# Allegro board A523-EVB-AXP717C-LPDDR4-4X-32X1-V1-0.brd (continued)
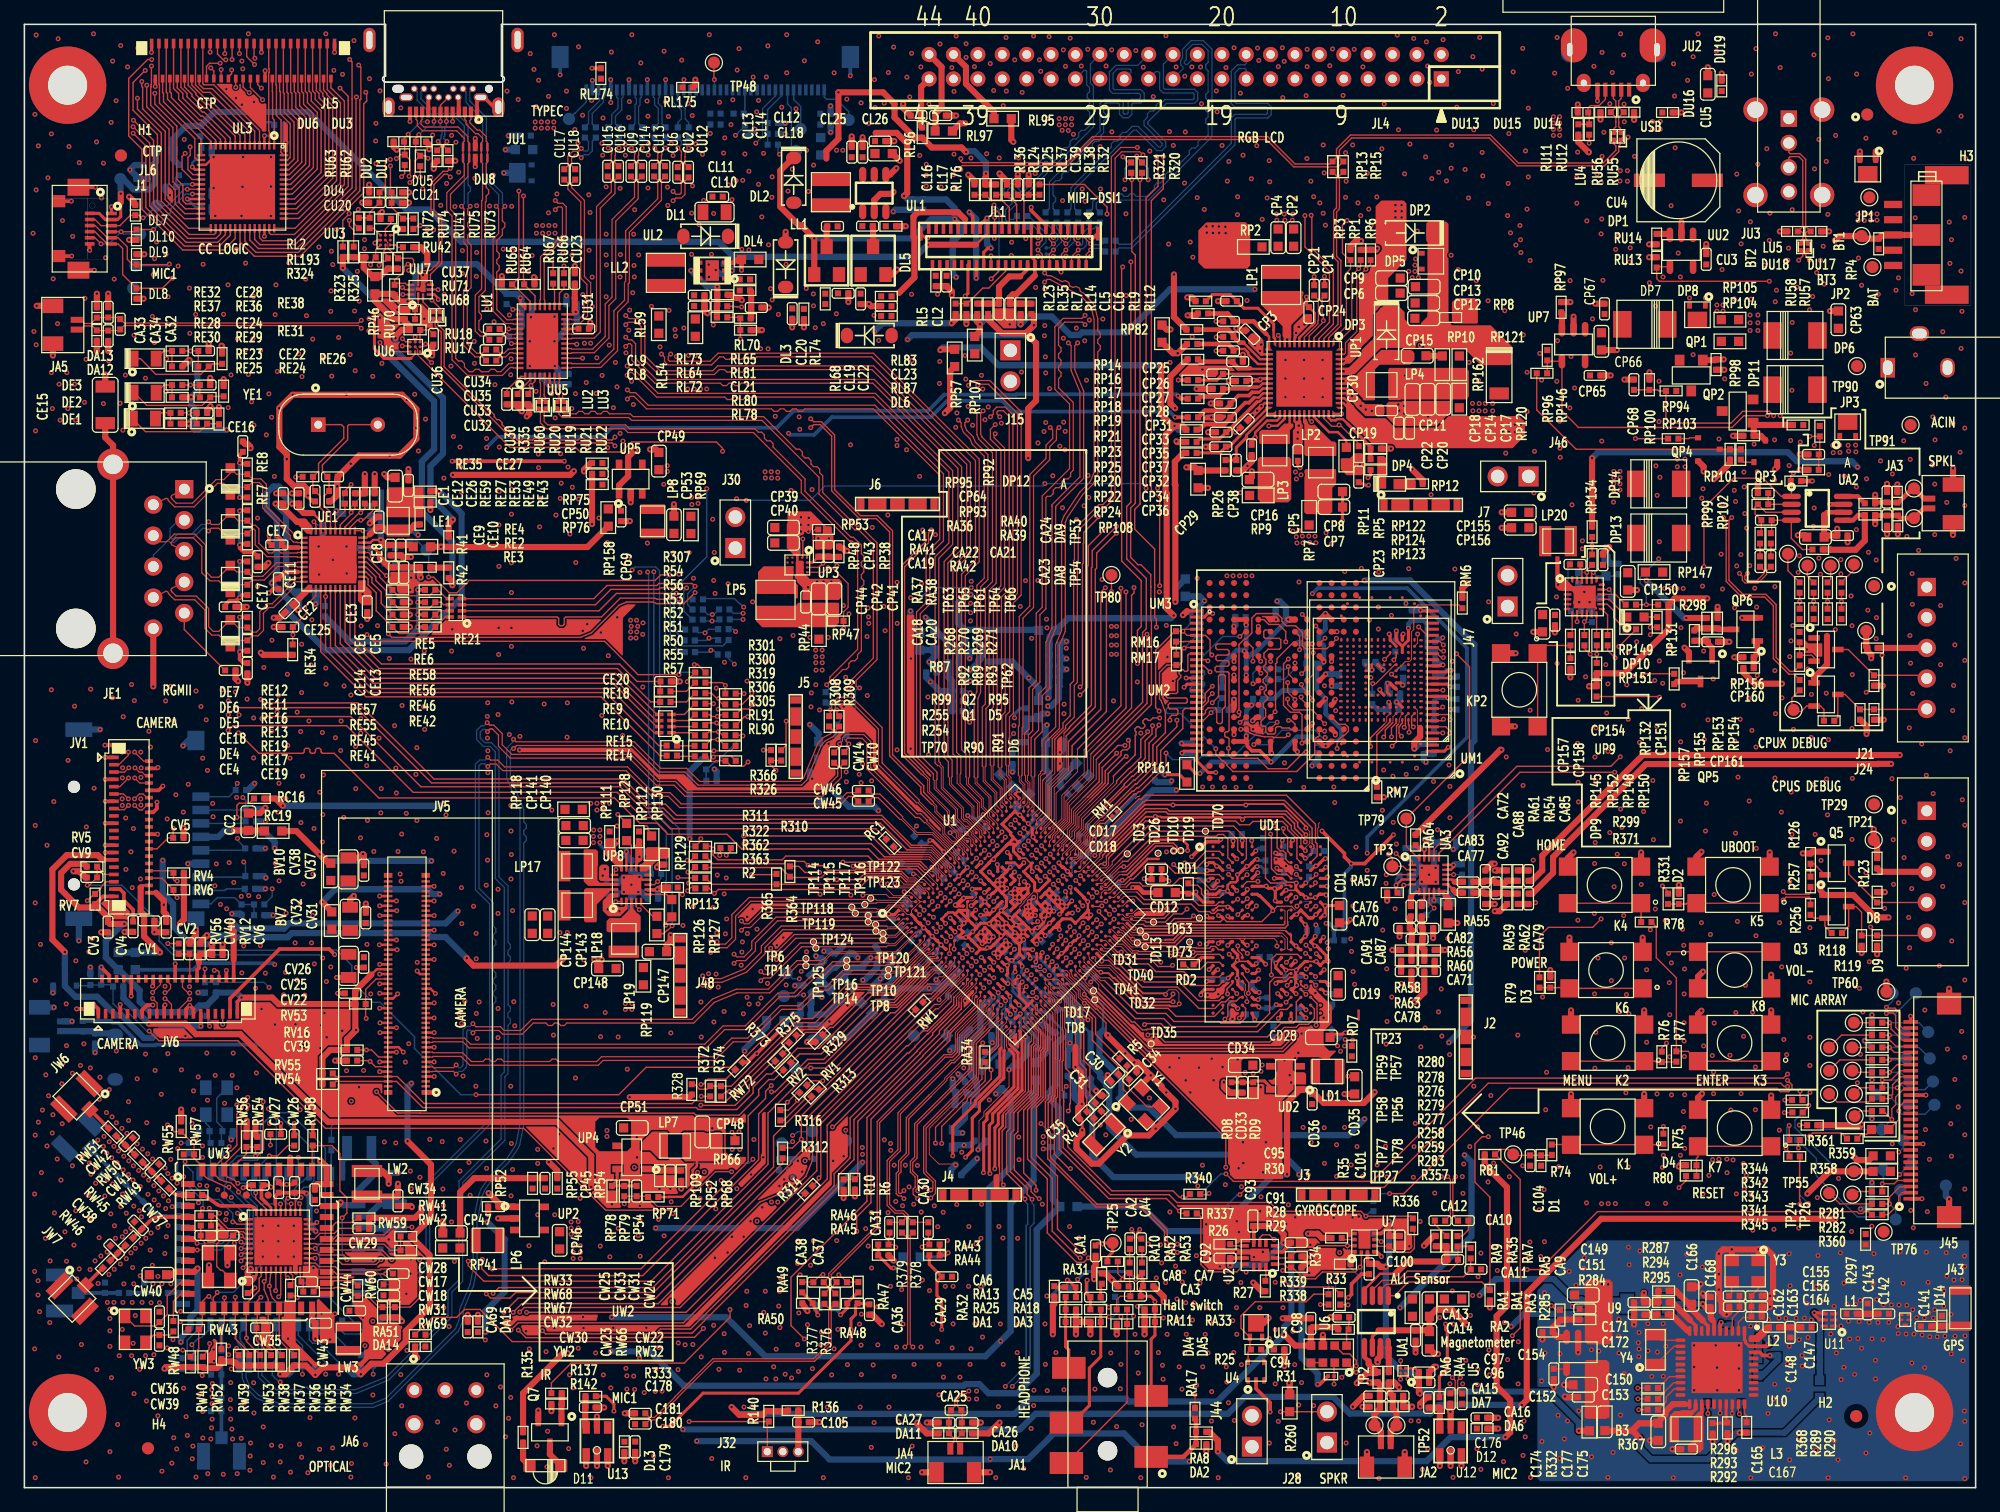
[diagram p0: board, top side]
## Routing (per net, layer and track width the routed paths; a pad name or vN(x,y) marks a point on that pad's centre or on a via; arc(x,y) is an arc through that point) (continued)
CC2: length 13.9
  TOP w0.114: v1(30.02,108.39) 30.02,106.33 DU5.2 CU21.2 30.11,105.01 RU75.2 31.06,104.08 RU73.2
  L3 w0.076: 32.45,113.86 32.92,114.33 32.93,114.33 33.32,114.72 JU1.B5
  L3 w0.114: v1(30.02,108.39) 29.62,108.79 29.62,111.02 32.45,113.86
CC2-AXP717C: length 87.8
  TOP w0.114: RU73.1 31.98,103.23 32.26,103.5 v1(32.46,103.5) ; v1(105,104.32) 105,101.75 107.01,99.74 107.01,95.56 105.75,94.3 UP1.5
  L3 w0.114: v1(105,104.32) 104.5,104.83 97.74,104.83 96.53,103.61 75.79,103.61 75.36,104.04 73.84,104.04 71.89,102.09 63.79,102.09 63.26,102.61 59.69,102.61 58.25,104.04 41.8,104.04 41.47,103.71 32.67,103.71 v1(32.46,103.5)
CC-INT: length 199.5
  TOP w0.076: UU3.B2 29.8,102.11 29.8,101.65 29.81,101.64
  TOP w0.114: 29.81,101.64 R325.2 31.78,100.82 31.91,100.68 31.91,100.39 31.81,100.29 31.81,100.18 31.51,99.88 v1(31.51,99.82) ; R345.1 145.59,26.75 145.56,26.72 145.56,23.64 145.6,23.61 v1(145.6,23.25)
  L3 w0.114: v1(31.51,99.82) 32.25,99.09 34.15,99.09 37.6,95.64 37.6,92.41 43.14,86.87 43.14,80.71 43.95,79.91 43.95,55.15 42.46,53.66 42.46,25.69 48.48,19.66 60.51,19.66 61.47,20.62 66.99,20.62 68.98,18.63 70.1,18.63 71.24,17.49 89.64,17.49 90.06,17.91 93.02,17.91 93.63,17.3 101.4,17.3 104.42,20.31 110.79,20.31 111.05,20.57 125.22,20.57 127.01,22.36 144.71,22.36 v1(145.6,23.25)
CHASIS-GND: length 19.1
  TOP w0.508: CE15.2 6.63,86.12 7.27,85.48 JE1.11 JE1.12
CLDO1: length 265.4
  TOP w0.203: U1.K21 81.2,51.26 80.55,51.26 U1.H20
  TOP w0.254: v1(76.33,47.78) 76.41,47.7 U1.H10 ; U1.H12 77.07,48.4 v1(77.02,48.35) ; U1.K21 v1(81.95,51.25) ; v1(83.04,50.87) 83.04,50.84 U1.N23
  TOP w0.381: v1(76.33,47.78) 76.45,47.78 v1(77.02,48.35)
  TOP w0.508: v1(94.31,87.07) 93.57,86.33 v1(93.57,82.39) 93.57,81.64 93.66,81.55 93.66,72.1 v1(94.23,71.53) ; v1(94.31,87.07) 94.16,87.07 93.21,88.01 v1(93.21,92.05) ; v1(94.31,87.07) 94.96,87.07 RP20.2 ; RP57.1 75.17,93.35 v1(75.11,93.29)
  L3 w0.305: v1(76.33,47.78) 75.77,47.22 74.32,47.22 73.25,46.15 70.93,46.15 68.33,43.55 v1(68.33,43.46)
  L3 w0.508: v1(115.34,81.43) 109.86,81.43 109.17,82.11 103.58,82.11 102.91,82.79 100.01,82.79 99.85,82.96 96.68,82.96 96.11,82.39 v1(93.57,82.39) ; v1(68.33,43.46) 69.44,42.35 69.44,38.67 75.16,32.94 79.01,32.94 v1(79.65,32.3) ; v1(78.44,16.51) 78.51,16.59 84.17,16.59 84.71,16.05 104.85,16.05 107.06,18.26 108.51,18.26 109.3,17.48 114.66,17.48 116.97,19.79 v1(120.58,19.79)
  L4 w0.254: v1(77.02,48.35) 76.45,47.78 v1(76.33,47.78) ; v1(81.95,51.25) 81.79,51.25
  L4 w0.305: 81.79,51.25 81.18,51.86 81.18,52.45 81.2,52.48 81.2,53.98 82.06,54.83 82.06,55.6 ; v1(83.04,50.87) 82.66,51.25 v1(81.95,51.25)
  L4 w0.508: v1(120.58,19.79) 121.11,20.32 121.11,59.39 120.4,60.1 120.4,70.15 115.34,75.21 v1(115.34,81.43) ; v1(83.92,64.74) 83.26,64.74 82.68,64.16 82.68,59.71 82.68,59.71 82.68,58.1 82.09,57.51 82.09,55.64 82.06,55.6
  BOTTOM w0.508: v1(94.31,87.07) 94.62,86.76 C19.1 ; 65.04,41.41 65.59,41.97 C80.1 65.63,42.04 66.16,42.56 C82.1 66.51,42.63 66.8,42.92 66.84,42.92 C79.1 67.69,43.77 C58.1 67.98,43.81 v1(68.33,43.46) ; 65.04,41.41 C81.1 ; 65.04,41.41 65.51,41.41 66.05,40.87 RP106.1 ; v1(93.21,92.05) 79.88,92.05 78.43,93.5 75.31,93.5 v1(75.11,93.29) ; v1(83.92,64.74) 83.98,64.8 C51.1 84.03,65.71 C77.1 84.05,66.54 C76.1 84.06,67.4 C78.1 84.07,68.25 C75.1 84.07,69.8 RP67.2 85.57,71.3 94.01,71.3 v1(94.23,71.53) ; v1(78.44,16.51) 79.07,17.14 79.07,24.51 80.86,26.3 80.86,32.04 RP51.1 79.69,32.3 v1(79.65,32.3)
CLDO2: length 116.9
  TOP w0.203: 78.03,101.93 78.96,102.86 JL1.29
  TOP w0.508: v1(94.46,85.81) 94.53,85.75 RP22.2 ; v1(74.07,101.93) 78.03,101.93
  L3 w0.508: v1(74.07,101.93) 74.65,101.93 75.77,103.05 94.36,103.05 95.26,102.15 v1(95.6,102.15)
  L4 w0.508: v1(94.46,85.81) 95.41,86.76 95.41,91.73 96.62,92.94 96.62,101.13 v1(95.6,102.15)
  BOTTOM w0.508: RL3.2 12.2,108.95 BL1.1 12.2,110.62 13.25,111.68 RL195.2 15.57,112.82 RL194.2 23.3,112.82 31.3,104.81 33.17,104.81 35.81,102.17 56.92,102.17 58.15,100.94 73.08,100.94 v1(74.07,101.93)
CLDO3: length 601.4
  TOP w0.203: v1(81.61,52.27) U1.J23 ; UP8.14 v1(49.36,52.16)
  TOP w0.254: U1.J12 77.72,47.73 v1(77.64,47.73) ; U1.J15 78.82,48.82 78.76,48.82 78.75,48.81 v1(78.72,48.81) ; v1(80.22,40.97) 80.18,40.97 U1.AA5
  TOP w0.305: R31.2 106.21,8.47 v1(106.05,8.47)
  TOP w0.508: v1(26.11,100.03) RL2.1 RL193.1 27.02,100.9 R324.1 27.83,100.77 27.83,100.05 28.55,99.32 RP46.2 29.16,99.32 R323.1 30.63,99.97 R325.1 ; R29.1 105.3,18.64 v1(105.3,18.69) 105.04,18.95 R28.1 ; v1(138.51,82.69) 139.85,84.03 RP99.2 ; v1(128.3,65.71) 128.31,65.73 R371.1 128.91,66.77 R299.1 131.21,66.78 134.82,70.39 R298.1 135.33,72.93 v1(138,72.93) ; v1(67.46,76.82) 67.32,76.82 67.08,77.06 66.92,77.06 RP38.2 ; Q1.1 146.75,66.43 147.81,67.49 147.81,69.85 ; RU11.2 127.42,110.36 128.26,109.52 v1(128.29,109.52) ; RP68.1 v1(53.86,24.52) ; v1(105.26,20.83) 106.05,20.83 106.4,20.47 R33.2 ; RC16.2 20.6,56.52 v1(21.19,55.92) ; R42.1 35.1,74.3 v1(35.1,74) ; v1(94.38,72.64) 94.38,82.23 94.34,82.27 94.34,84.14 95.05,84.86 RP24.2
  L3 w0.305: 83.11,54.46 81.55,52.91 81.55,52.32 v1(81.61,52.27)
  L3 w0.508: v1(20.4,46.94) 20.4,47.5 21.79,48.9 21.79,55.32 v1(21.19,55.92) ; v1(105.26,20.83) 110.53,20.83 110.82,21.11 124.98,21.11 127.21,23.35 v1(128.09,23.35) ; 83.11,54.46 83.11,61.8 v1(83.85,62.53) ; v1(94.38,72.64) 93.92,72.19 83.4,72.19 82.59,71.37 v1(82.59,69.65) 75.61,69.65 v1(73.89,71.37) ; v1(128.3,65.71) 119.14,65.71 v1(117.09,67.77) ; v1(79.12,31.8) 78.71,32.21 73.41,32.21 v1(65.39,40.23) ; v1(50.47,75.06) 50.47,75.26 51.09,75.88 54.62,75.88 57.16,78.42 58.79,78.42 60.5,80.13 64.71,80.13 67.46,77.38 v1(67.46,76.82) ; v1(34.37,56.08) 34.37,73.27 v1(35.1,74) ; v1(145.01,70.7) 145.01,70.97 143.05,72.93 v1(138,72.93)
  L4 w0.305: 73.59,43.68 v1(77.64,47.73) 78.72,48.81 v1(78.72,48.81) ; v1(80.22,40.97) 80.44,40.75 81.01,40.75 82.1,39.66 82.1,38.58 81.07,37.55
  L4 w0.508: v1(54.55,53.22) 53.65,52.32 49.53,52.32 v1(49.36,52.16) 49.25,52.27 49.25,56.3 48.74,56.81 39.96,56.81 39.24,56.08 v1(34.37,56.08) ; v1(50.47,75.06) 49.41,74 v1(35.1,74) ; v1(95.51,2.15) 103.77,2.15 105.11,3.48 105.11,7.53 v1(106.05,8.47) ; v1(128.29,109.52) 128.29,105.96 132.66,101.59 132.66,85.8 135.77,82.69 v1(138.51,82.69) 138.51,73.44 v1(138,72.93) ; v1(55.14,3.81) 55.14,9.42 53.06,11.51 53.06,13.03 53.86,13.82 v1(53.86,24.52) ; v1(117.09,67.77) 116.89,67.96 116.89,68.82 116.89,68.83 116.89,69.87 115.94,70.82 115.11,70.82 114.55,71.37 113.26,71.37 111.85,72.79 103.7,72.79 102.66,73.83 95.56,73.83 v1(94.38,72.64) ; 73.59,43.68 71.55,43.68 70.65,42.77 67.93,42.77 v1(65.39,40.23) ; v1(105.26,20.83) 105.23,20.83 104.72,20.32 104.72,19.28 v1(105.3,18.69) ; v1(82.59,69.65) 82.59,67.36 84.63,65.32 84.63,63.32 v1(83.85,62.53) ; v1(128.09,23.35) 128.09,65.51 v1(128.3,65.71) ; v1(67.46,76.82) 69.99,76.82 73.89,72.92 v1(73.89,71.37) ; 81.07,37.55 80.31,36.8 80.31,35.99 79.86,35.54 79.86,33.41 79.09,32.65 79.09,31.83 v1(79.12,31.8) 79.12,27.84 78.26,26.98 v1(78.12,26.98) 78.05,26.91 78.05,26.69 77.74,26.38 77.74,22.01 79.2,20.55 v1(79.2,2.34)
  BOTTOM w0.305: 84.01,55.26 83.36,54.61 C50.1 82.91,54.16 82.83,54.16 81.49,52.82 81.49,52.38 v1(81.61,52.27)
  BOTTOM w0.508: v1(94.38,72.64) 94.39,72.65 94.39,73.72 RP29.1 ; v1(106.05,8.47) 106.05,9.35 104.72,10.67 104.72,18.11 v1(105.3,18.69) ; v1(73.89,71.37) 74.65,70.61 RP33.1 74.91,70.12 75.75,69.29 R15.1 ; v1(34.37,56.08) 34.21,55.92 v1(21.19,55.92) ; CP149.1 49.36,51.84 v1(49.36,52.16) ; 84.01,55.26 84.01,58.61 83.74,58.88 C49.1 83.74,62.43 v1(83.85,62.53) ; RC15.2 v1(20.4,46.94) ; v1(65.39,40.23) 65,40.62 C73.1 64.53,39.67 64.5,39.63 64.5,39.61 C56.1 64.5,39.56 64.5,38.82 64.49,38.81 64.49,38.78 ; v1(54.55,53.22) 54.55,58.74 55.58,59.76 R7.2 ; 64.49,38.78 65.12,38.78 65.15,38.81 65.7,38.81 66.9,40.01 ; 64.49,38.78 C55.1 ; C61.1 76.83,25.69 78.12,26.98 v1(78.12,26.98) ; v1(26.11,100.03) 29.72,96.42 29.72,92.97 33.59,89.09 33.59,85.16 32.58,84.15 32.58,80.05 35.1,77.54 v1(35.1,74) ; v1(95.51,2.15) 92.45,2.15 90.15,4.45 84.4,4.45 82.3,2.34 v1(79.2,2.34) 79.17,2.31 66.01,2.31 64.52,3.81 v1(55.14,3.81)
CLDO4: length 81.9
  TOP w0.508: v1(95.28,83.67) 95.98,83.67 96.24,83.42 ; UP5.1 48.76,82.2 49.5,82.94 49.5,84.53 v1(50.06,85.09) ; 96.24,83.42 RP108.1 ; 96.24,83.42 RP26.2
  L3 w0.508: v1(100.25,97.36) 99.03,97.36 98.17,96.49 97.36,96.49 97,96.85 92.58,96.85 90.58,94.84 90.58,92.41 86.89,88.72 82.73,88.72 79.08,85.08 77.17,85.08 75.16,87.08 67.53,87.08 66.22,85.78 50.75,85.78 v1(50.06,85.09)
  L4 w0.508: v1(100.25,97.36) 98.32,95.43 98.32,91.24 96.44,89.36 96.44,85.93 95.28,84.76 v1(95.28,83.67)
CLKOUT-125M: length 2.5
  TOP w0.114: UE1.35 25.5,79.32 26.29,80.1 RE27.2
CODEC0-AVDD: length 18.2
  TOP w0.203: v1(116.56,48.74) 116.41,48.88 UA3.10 ; UA3.18 115.18,52.06 115.19,52.07 115.19,52.8 v1(114.83,53.16)
  TOP w0.508: RA57.2 v1(111.74,48.13) ; RA55.2 116.74,48.31 116.56,48.49 v1(116.56,48.74)
  L3 w0.508: v1(116.56,48.74) 112.35,48.74 v1(111.74,48.13)
  L4 w0.508: v1(116.56,48.74) 116.56,51.43 v1(114.83,53.16)
  BOTTOM w0.508: CA93.1 116.5,48.79 v1(116.56,48.74) 116.66,48.74 117.16,48.23 CA75.1 ; v1(114.83,53.16) 115.34,53.16 CA84.1 116.02,52.9 116.1,52.98 CA73.1
CPUS-RX: length 106.9
  TOP w0.076: 84.09,38.82 83.35,39.57 U1.AH8
  TOP w0.114: v1(144.22,48.88) 144.45,48.65 146.34,48.65 146.46,48.77 R257.2 ; v1(94.54,19.29) 94.09,19.74 93.85,19.74 93.48,20.11 93.48,21.05 91.52,23.01 87.86,23.01 83.91,26.96 83.91,29.04 83.72,29.23 83.72,31.65 83.97,31.9 83.97,32.17 84.09,32.29 84.09,38.82
  L3 w0.114: v1(141.02,24.47) 140.85,24.64 136.95,24.64 136.24,25.34 124.83,25.34 122.69,23.2 111.3,23.2 110.93,23.57 103.07,23.57 99.24,19.74 94.99,19.74 v1(94.54,19.29)
  L4 w0.114: v1(144.22,48.88) 144.45,48.65 144.7,48.65 144.95,48.41 144.95,38.26 142.69,36 142.69,26.04 141.4,24.75 141.31,24.75 v1(141.02,24.47)
CPUS-TCK: length 69.4
  TOP w0.114: v1(144.57,32.89) 144.3,32.89 144.02,33.17 120.03,33.17 111.49,24.62 100.27,24.62 v1(99.67,24.03) ; R276.2 v1(152.93,36.09) 153.34,35.69 J45.25
  L3 w0.114: v1(152.93,36.09) 152.56,36.09 149.36,32.89 v1(144.57,32.89)
  BOTTOM w0.114: TP96.1 155.35,36.09 v1(152.93,36.09) R276.2 ; v1(99.67,24.03) 99.46,24.03 97.92,22.49 R347.2
CPUS-TDI: length 65
  TOP w0.114: J45.24 153.05,35.19 v1(152.93,35.08) R279.2
  L3 w0.114: v1(106.93,16.92) 107.34,17.32 107.85,17.32 108.69,16.48 115.93,16.48 118.09,18.65 121.21,18.65 122.3,19.74 124.86,19.74 127.14,22.01 146.58,22.01 152.35,27.79 152.35,30.86 153.93,32.44 153.93,32.94 153.21,33.66 152.82,33.66 152.57,33.91 152.57,34.72 v1(152.93,35.08)
  BOTTOM w0.114: R279.2 v1(152.93,35.08) 154.2,35.08 TP97.1 ; R349.2 v1(106.93,16.92)
CPUS-TDO: length 64.4
  TOP w0.114: J45.23 153.56,34.69 v1(152.93,34.06) R277.2
  L3 w0.114: v1(107.52,16.92) 107.77,16.92 108.53,16.15 116.15,16.15 118.32,18.32 121.34,18.32 122.43,19.41 124.99,19.41 127.23,21.65 145.34,21.65 145.34,21.65 145.64,21.65 145.64,21.65 146.66,21.65 152.73,27.72 152.73,30.79 154.25,32.31 154.25,33.07 154.25,33.07 154.25,33.11 153.3,34.06 v1(152.93,34.06)
  BOTTOM w0.114: v1(107.52,16.92) 107.52,16.26 R348.2 ; R277.2 v1(152.93,34.06) 153.82,34.06 TP98.1
CPUS-TMS: length 53.9
  TOP w0.114: J45.26 153.47,36.19 153.06,36.6 153.05,36.6 152.93,36.72 v1(152.93,37.11) R278.2 ; v1(111.94,24.11) 113.12,24.11 121.75,32.75 143.71,32.75 143.98,32.47 144.66,32.47 144.93,32.74 144.93,33.04 144.58,33.4 v1(144.57,33.4)
  L3 w0.114: v1(144.57,33.4) 149.23,33.4 151.14,35.31 151.14,35.31 v1(152.93,37.11)
  BOTTOM w0.114: TP95.1 154.08,37.11 v1(152.93,37.11) R278.2 ; R346.2 111.21,24.11 v1(111.94,24.11)
CPUS-TX: length 105
  TOP w0.076: U1.AJ8 84.32,38.95 84.32,38.86
  TOP w0.114: 84.32,38.86 84.32,32.2 84.2,32.08 84.2,31.81 83.95,31.56 83.95,29.33 84.14,29.14 84.14,27.06 87.96,23.24 91.61,23.24 93.71,21.15 93.71,20.21 93.95,19.97 v1(94.54,19.97) ; v1(144.22,48.2) 144.45,48.43 146.34,48.43 146.46,48.31 R256.2
  L3 w0.114: v1(94.54,19.97) 99.14,19.97 102.97,23.8 111.03,23.8 111.4,23.43 122.59,23.43 124.73,25.57 136.34,25.57 137.04,24.87 140.79,24.87 v1(141.02,25.1)
  L4 w0.114: v1(144.22,48.2) 144.45,48.43 144.61,48.43 144.72,48.31 144.72,38.35 142.47,36.09 142.47,26.14 141.31,24.98 141.15,24.98 v1(141.02,25.1)
CPUSLDO: length 167.7
  TOP w0.203: v1(100.92,86.12) 100.92,86.53 101.91,87.51 102.71,87.51 102.95,87.74 UP1.28
  TOP w0.254: U1.Y12 82.57,44.16 82.61,44.12 v1(82.68,44.12)
  TOP w0.381: CP19.1 100.63,85.82 v1(100.92,86.12)
  L3 w0.203: 86.36,38.91 86.36,40.43 v1(82.68,44.12)
  L3 w0.508: 86.36,38.91 86.36,37.09 v1(85.73,36.46) 90.34,36.46 90.99,35.81 103.82,35.81 104.23,36.22 104.69,36.22 106.26,34.65 114.96,34.65 v1(116.81,36.51) ; v1(100.92,86.12) 100.73,85.92 96.42,85.92 94.26,83.77 84.09,83.77 80.51,80.19 72.74,80.19 68.16,75.61 v1(66.62,75.61)
  L4 w0.508: v1(100.92,86.12) 101.3,85.74 101.3,78.67 103.58,76.39 105.36,76.39 107.71,74.04 109.52,74.04 v1(109.88,74.4) ; v1(66.62,75.61) 66.62,75.36 66.78,75.2 66.78,73.03 63.78,70.03 63.78,63.2 v1(64.4,62.58)
  BOTTOM w0.508: C1.1 v1(85.73,36.46) 85.73,35.94 85.55,35.77 C2.1 ; v1(116.81,36.51) 118.62,38.32 118.62,60.99 118.89,61.27 118.89,69.14 113.64,74.4 v1(109.88,74.4) ; RP30.1 65.13,61.85 v1(64.4,62.58)
CPUX-RX: length 104.8
  TOP w0.114: R255.2 145.09,66.94 144.78,66.94 143.64,68.08 143.64,72.42 142.79,73.26 140.91,73.26 139.77,74.41 139.77,79.33 v1(140,79.56) ; U1.L25 v1(82.99,52.28)
  L3 w0.114: v1(140,79.56) 139.77,79.33 139.77,79.07 139.34,78.65 135.76,78.65 134.89,79.51 122.36,79.51 121.53,80.35 109.41,80.35 108.77,80.98 89.8,80.98 89.11,80.29 87.17,80.29 v1(86.27,79.38)
  L4 w0.076: v1(82.99,52.28) 82.99,52.68 83.15,52.84 83.15,52.85 83.88,53.58 83.92,53.58 83.93,53.6
  L4 w0.114: v1(86.27,79.38) 86.04,79.61 85.92,79.61 85.92,79.6 85.62,79.6 85.49,79.47 85.49,75.46 86.5,74.45 86.5,68.52 88.35,66.67 88.35,63.18 85.92,60.74 85.92,56.52 84.93,55.54 84.93,54.59 84.06,53.73 83.93,53.6
CPUX-TCK: length 173.4
  TOP w0.076: v1(82.33,53.03) 82.33,52.96 U1.J25
  TOP w0.114: v1(86.57,65.66) 86.75,65.84 86.75,75.73 86.82,75.8 86.82,77.42 86.86,77.46 86.86,78.33 88.07,79.54 v1(88.07,79.63) ; R92.1 v1(146.71,72.67) R270.2 ; R292.1 v1(132.37,6.39)
  L3 w0.114: v1(146.71,72.67) 146.71,73.08 141.56,78.23 135.59,78.23 134.72,79.1 122.12,79.1 121.72,79.5 109.66,79.5 108.6,80.56 89.97,80.56 89.28,79.87 89.28,79.87 89.11,79.7 88.14,79.7 v1(88.07,79.63)
  L4 w0.076: 84.45,55.01 84.45,54.69 83.6,53.83 83.6,53.81 82.82,53.03 v1(82.33,53.03)
  L4 w0.114: 84.45,55.01 84.45,60.35 86.98,62.88 86.98,65.25 v1(86.57,65.66) ; v1(132.37,6.39) 129.55,9.2 129.55,14.95 137.41,22.81 141.66,22.81 147.54,28.69 147.54,47.03 148.74,48.23 148.74,68.94 146.71,70.97 v1(146.71,72.67)
CPUX-TDI: length 167.8
  TOP w0.076: U1.H28 83.35,54.2 84.07,54.91 84.07,57.54 85.42,58.89 85.42,61.59
  TOP w0.114: R87.1 v1(145.57,72.67) R268.2 ; 85.42,61.59 85.42,61.65 87.81,64.03 87.81,75.29 87.92,75.41 87.92,76.64 v1(89.55,78.28) ; R296.1 v1(132.29,8.17)
  L3 w0.114: v1(89.55,78.28) 90.78,79.51 107.23,79.51 108.73,78.01 134.31,78.01 134.66,77.66 134.66,77.65 135.19,77.12 141.12,77.12 v1(145.57,72.67)
  L4 w0.114: v1(132.29,8.17) 131.73,8.17 130.36,9.54 130.36,14.61 137.8,22.06 141.95,22.06 148.32,28.43 148.32,46.76 149.47,47.9 149.47,71.56 148,73.03 145.93,73.03 v1(145.57,72.67)
CPUX-TDO: length 171.4
  TOP w0.076: U1.H27 83,54.06 83.92,54.98 83.92,57.66 85.24,58.99 85.24,61.87
  TOP w0.114: v1(125.21,14.94) 125.57,14.58 R285.2 ; R271.2 v1(149,72.67) R93.1 ; v1(89.55,78.83) 87.56,76.85 87.56,75.49 87.49,75.43 87.49,64.16 85.69,62.37 85.69,62.32 85.24,61.87
  L3 w0.114: v1(149,72.67) 148.22,71.89 146.45,71.89 145.93,72.41 145.93,72.82 141.31,77.44 135.32,77.44 134.98,77.78 134.98,77.79 134.44,78.33 109.6,78.33 108.11,79.82 90.54,79.82 v1(89.55,78.83)
  L4 w0.114: v1(125.21,14.94) 125.77,15.49 129.37,15.49 137.11,23.23 141.48,23.23 147.1,28.84 147.1,47.18 148.32,48.4 148.32,68.72 145.21,71.83 145.21,72.82 145.73,73.35 148.32,73.35 v1(149,72.67)
CPUX-TMS: length 172.2
  TOP w0.102: v1(81.98,52.66) 81.98,52.6 U1.J24
  TOP w0.114: v1(88.96,78.96) 87.24,77.25 87.24,75.63 87.17,75.56 87.17,65.62 v1(86.56,65.01) ; R89.1 v1(147.85,72.67) R269.2 ; R293.1 v1(132.31,7.28)
  L3 w0.114: v1(88.96,78.96) 88.97,78.96 89.45,79.45 89.46,79.45 90.15,80.14 108.42,80.14 109.49,79.08 121.55,79.08 121.98,78.65 134.57,78.65 135.47,77.75 141.44,77.75 146.25,72.95 146.25,72.62 146.56,72.31 147.49,72.31 v1(147.85,72.67)
  L4 w0.076: v1(81.98,52.66) 81.98,53.14 83.46,54.61 83.46,55.01
  L4 w0.114: v1(86.56,65.01) 86.56,63.05 84.03,60.52 84.03,57.88 83.46,57.31 83.46,55.01 ; v1(132.31,7.28) 132.15,7.28 129.97,9.45 129.97,14.77 137.59,22.39 141.83,22.39 147.99,28.55 147.99,46.89 149.16,48.06 149.16,71.37 v1(147.85,72.67)
CPUX-TX: length 105.4
  TOP w0.114: U1.L24 v1(82.6,51.87) ; v1(139.31,79.56) 139.54,79.33 139.54,74.32 140.82,73.04 142.7,73.04 143.41,72.33 143.41,67.99 144.68,66.71 145.09,66.71 R254.2
  L3 w0.114: v1(139.31,79.56) 139.54,79.33 139.54,79.17 139.25,78.88 135.85,78.88 134.99,79.74 122.46,79.74 121.62,80.58 109.5,80.58 108.87,81.21 89.7,81.21 89.01,80.52 86.9,80.52 v1(86.89,80.52)
  L4 w0.076: 83.77,53.76 83.76,53.74 83.76,53.71 82.6,52.56 v1(82.6,51.87)
  L4 w0.114: 83.77,53.76 84.7,54.69 84.7,55.63 85.69,56.62 85.69,60.84 88.12,63.27 88.12,66.58 86.27,68.43 86.27,74.36 85.26,75.37 85.26,79.56 85.53,79.83 85.82,79.83 85.82,79.83 86.02,79.83 86.71,80.52 86.89,80.52 v1(86.89,80.52)
CPVDD: length 4.7
  TOP w0.254: U1.AE5 v1(81.57,39.58)
  BOTTOM w0.254: v1(81.57,39.58) 82.11,39.04 82.11,37.77 83.07,36.81 C70.1
CPVEE: length 4.7
  TOP w0.254: v1(80.82,40.28) 80.82,40.33 U1.AC5 ; v1(81.25,39.18) 81.25,39.19 U1.AE4
  BOTTOM w0.254: v1(80.82,40.28) 80.86,40.24 80.86,39.4 80.45,39 80.45,38.64 80.88,38.21 C71.1 81.26,38.45 81.26,39.16 v1(81.25,39.18)
CPVIN: length 6.6
  TOP w0.254: U1.AG3 81.31,38.5 v1(81.67,38.86)
  BOTTOM w0.254: v1(81.67,38.86) 81.67,37.21 81.62,37.16 81.62,36.48 81.33,36.19
  BOTTOM w0.508: 81.33,36.19 80.19,35.05 80.19,34.92 C69.1 80.14,34.59 RP51.2
CTP-INT: length 131.3
  TOP w0.114: RL90.2 57.92,60.02 56.59,60.02 v1(56.49,59.91) ; UL3.22 13.36,106.48 v1(13.36,106.48) ; JL1.28 79.26,101 v1(79.25,101.02) ; v1(9.73,104.14) 9.6,104.14 9.39,104.35 DL7.2 8.68,104.35 7.83,103.49 J1.3 6.29,103.49 5.78,104 JL6.2
  L3 w0.114: v1(13.36,106.48) 13.32,106.48 13.1,106.48 12.92,106.3 12.92,104.28 14.94,102.25 22.58,102.25 23.15,102.82 32.82,102.82 33.02,102.62 41.26,102.62 41.51,102.37 43.69,102.37 45.01,103.68 55.23,103.68 v1(55.32,103.59) 58.01,103.59 60.22,101.37 63.04,101.37 63.45,100.97 72.77,100.97 73.25,100.48 75.46,100.48 76,101.02 v1(79.25,101.02)
  L4 w0.114: v1(56.49,59.91) 55.74,60.67 55.74,67.65 54.82,68.57 54.82,70.64 55.38,71.2 55.38,80.2 56.56,81.39 56.56,94.62 55.32,95.86 v1(55.32,103.59)
  BOTTOM w0.114: v1(9.73,104.14) 9.86,104.14 10.82,105.11 TP83.1 11.75,105.13 13.1,106.48 13.32,106.48 13.33,106.48 v1(13.36,106.48)
CTP-RST: length 137.4
  TOP w0.114: J1.4 v1(7.93,102.99) 9,102.99 DL10.2 v1(10.59,103.18) ; v1(56.54,60.42) 57.15,60.42 57.15,60.42 57.91,60.42 RL91.2 ; v1(13.78,106.09) 13.79,106.08 UL3.23 ; JL6.5 5.78,102.5 v1(6.29,102) ; JL1.27 v1(79.56,104.17)
  L3 w0.114: v1(79.56,104.17) 79.41,104.17 78.3,105.28 72.48,105.28 70.77,103.57 64.12,103.57 63.59,104.1 61.46,104.1 58.81,106.75 58.79,106.75 v1(58.36,107.19) 58.23,107.31 44.21,107.31 40.93,104.03 32.1,104.03 31.63,103.57 15.86,103.57 13.78,105.64 v1(13.78,106.09)
  L4 w0.114: v1(56.54,60.42) 56.08,60.87 56.08,67.75 55.13,68.7 55.13,70.38 55.69,70.94 55.69,80.07 56.89,81.27 56.89,97.7 57.31,98.12 57.31,104 58.39,105.08 58.39,107.16 v1(58.36,107.19)
  BOTTOM w0.114: TP5.1 8.12,102.8 v1(7.93,102.99) 6.94,102 v1(6.29,102) ; v1(10.59,103.18) 12.01,104.6 12.01,104.88 13.21,106.08 13.78,106.08 v1(13.78,106.09) 14.34,106.09 CL59.1
D+: length 20.5
  TOP w0.112: DU1.2 34.41,109.99 34.41,110.16 v1(34.65,110.4) ; v1(34.61,112.04) 34.62,112.05 JU1.A6 ; v1(34.93,108.19) 34.69,107.95 34.33,107.95 33.34,106.96 33.34,104.68 33.99,104.02 33.99,100.53 33.28,99.81 32.54,99.81 32.29,99.56 UU7.7
  L4 w0.112: v1(34.93,108.19) 34.7,107.97 34.53,107.97 34.41,108.1 34.41,110.15 v1(34.65,110.4) ; JU1.B6 33.97,113.99 34.61,113.35 v1(34.61,112.04)
  BOTTOM w0.112: v1(34.61,112.04) 34.61,111.72 34.47,111.58 34.47,110.86 34.41,110.79 34.41,110.64 v1(34.65,110.4)
D-: length 19.2
  TOP w0.112: v1(34.1,112.04) 34.12,112.06 JU1.A7 34.12,113.37 JU1.B7 ; DU2.2 34.17,109.99 34.17,110.06 34.17,110.16 v1(33.93,110.4) ; UU7.5 33.29,99.49 34.23,100.43 34.23,104.12 33.58,104.78 33.58,106.86 34.43,107.72 34.69,107.72 v1(34.93,107.47)
  L4 w0.112: v1(33.93,110.4) 34.14,110.19 34.14,107.99 34.42,107.7 34.7,107.7 v1(34.93,107.47)
  BOTTOM w0.112: v1(33.93,110.4) 34.17,110.64 34.17,110.89 34.23,110.96 34.23,111.58 34.1,111.72 v1(34.1,112.04)
DCDC1: length 7.1
  TOP w0.254: v1(82.13,47.62) v1(82.5,47.27) ; v1(82.13,47.62) U1.T16 ; v1(82.13,47.62) v1(82.4,48.06) ; v1(82.5,47.27) v1(82.89,46.91) U1.U16 ; v1(82.5,47.27) U1.U18 U1.T18 ; v1(82.5,47.27) U1.T18 ; v1(82.5,47.27) U1.T16 ; v1(82.5,47.27) U1.U16 ; U1.U16 U1.T16 ; U1.T18 v1(82.4,48.06) ; v1(82.4,48.06) v1(82.76,48.42)
  vias: v1(89.13,70.62) v1(89.13,69.86) v1(89.13,69.1) v1(89.13,68.34) v1(89.55,70.62) v1(89.55,69.86) v1(89.55,69.1) v1(89.55,68.34) v1(96.93,103.43) v1(96.95,102.92) v1(97.44,103.45) v1(97.46,102.89) v1(97.94,103.43) v1(97.97,102.91) v1(98.48,103.41) v1(98.5,102.88)
DCDC2: length 14.5
  TOP w0.254: v1(78.82,47.34) 79.11,47.05 U1.M12 ; U1.H14 77.76,49.11 v1(77.72,49.07) ; v1(78.4,46.94) U1.M12 ; U1.M12 79.48,47.36 v1(79.48,47.37) 79.5,47.4 79.51,47.4 U1.M14 U1.M15 ; v1(80.6,52.09) 80.88,51.82 U1.H21
  L4 w0.254: v1(80.6,52.09) 80.6,52.59 80.84,52.83 80.84,53.76 80.48,54.11 80.48,59.22 80.75,59.48 80.75,60.78 v1(81.11,61.14)
  BOTTOM w0.508: v1(81.11,61.14) 81.11,61.14 RP43.1
  vias: v1(104.01,78.44) v1(104.29,77.98) v1(104.34,77.47) v1(104.52,78.49) v1(104.79,78.04) v1(104.84,77.48) v1(105.32,78.04) v1(105.39,77.51) v1(105.82,78.02) v1(105.9,77.49)
DCDC3: length 50
  TOP w0.203: UP1.29 103.35,87.67 102.76,87.08 102.11,87.08 102.09,87.07 v1(102.04,87.07)
  TOP w0.254: UD1.F5 101.82,49.31 v1(101.83,49.33) 102,49.16 102.48,49.16 v1(102.52,49.12) ; v1(106.53,45.14) 106.27,44.88 UD1.N12 ; v1(96.93,44.58) 97.11,44.76 UD1.N1 ; v1(99.62,38.51) 99.87,38.75 UD1.AB4 ; UD1.H8 102.69,48.01 v1(102.57,48.13) 102.57,49.07 v1(102.52,49.12) ; UD1.R12 v1(105.94,43.79) ; v1(102.52,49.12) 102.66,49.06 103.03,49.21 UD1.F8 ; U1.T21 U1.T22 84.06,49.05 84.37,48.74 ; U1.T21 U1.T20 ; U1.T21 U1.U21 ; UD1.R8 103.07,43.45 v1(102.62,43) 102.62,42.61 UD1.U8 ; v1(85.44,47.67) 85.44,47.67 v1(85.88,48.11) ; v1(85.44,47.67) U1.Y21 ; v1(85.44,47.67) v1(85.08,48.03) ; U1.U21 84.06,48.43 84.37,48.74 ; U1.U21 U1.V21 ; v1(98.67,44.48) 98.96,44.76 UD1.N3 ; UD1.K12 106.49,46.94 v1(106.6,46.94) 106.66,47 v1(106.66,47.72) ; v1(96.95,46.86) 97.1,46.71 UD1.K1 ; v1(106.66,47.72) 106.68,47.74 CD1.1 ; v1(106.66,47.72) 106.56,47.72 UD1.H12 ; U1.Y21 85.12,47.27 v1(84.88,47.03) ; U1.Y21 U1.W21 ; UD1.R1 96.53,43.46 v1(96.34,43.28) 95.97,42.91 RD2.2 ; 84.37,48.74 v1(84.72,48.39) ; v1(99.86,53.07) 99.87,53.06 UD1.A4 ; UD1.K3 98.83,46.71 v1(98.68,46.86) ; v1(100.28,47.65) 100.64,48.01 UD1.H5 ; UD1.U5 100.92,42.16 v1(101.2,42.44) ; U1.W21 U1.V21 ; U1.W21 84.76,47.71 v1(85.08,48.03) ; CD12.1 95.35,48.8 RD1.2 95.92,48.71 v1(96.06,48.85) 96.06,48.61 96.66,48.01 UD1.H1 ; v1(103.99,53.09) 103.87,52.96 UD1.A9 ; v1(84.72,48.39) v1(85.08,48.03) ; v1(84.72,48.39) 84.41,48.07 U1.V21 ; UD1.AB9 103.87,38.47 v1(103.83,38.42) ; UD1.N10 104.67,44.85 v1(105.03,45.21) 105.16,45.34 105.16,46.05 v1(105.03,46.18) 104.67,46.54 UD1.K10 ; v1(101.78,42.93) 101.24,43.46 UD1.R5